# Altium PCB EDA-03518-V3-0_pcb.pcbdoc (part 5 of 14)
Units mm, origin at the board's own origin, x right, y up, seen from the top; angles counter-clockwise.
Board outline 220 x 230 mm, 8 copper layers (Top Layer, L2P, L3, L4P, L5P, L6, L7P, Bottom Layer), stack 2.18 mm thick; 1190 components, 1445 nets, 5955 pads, 2149 vias.
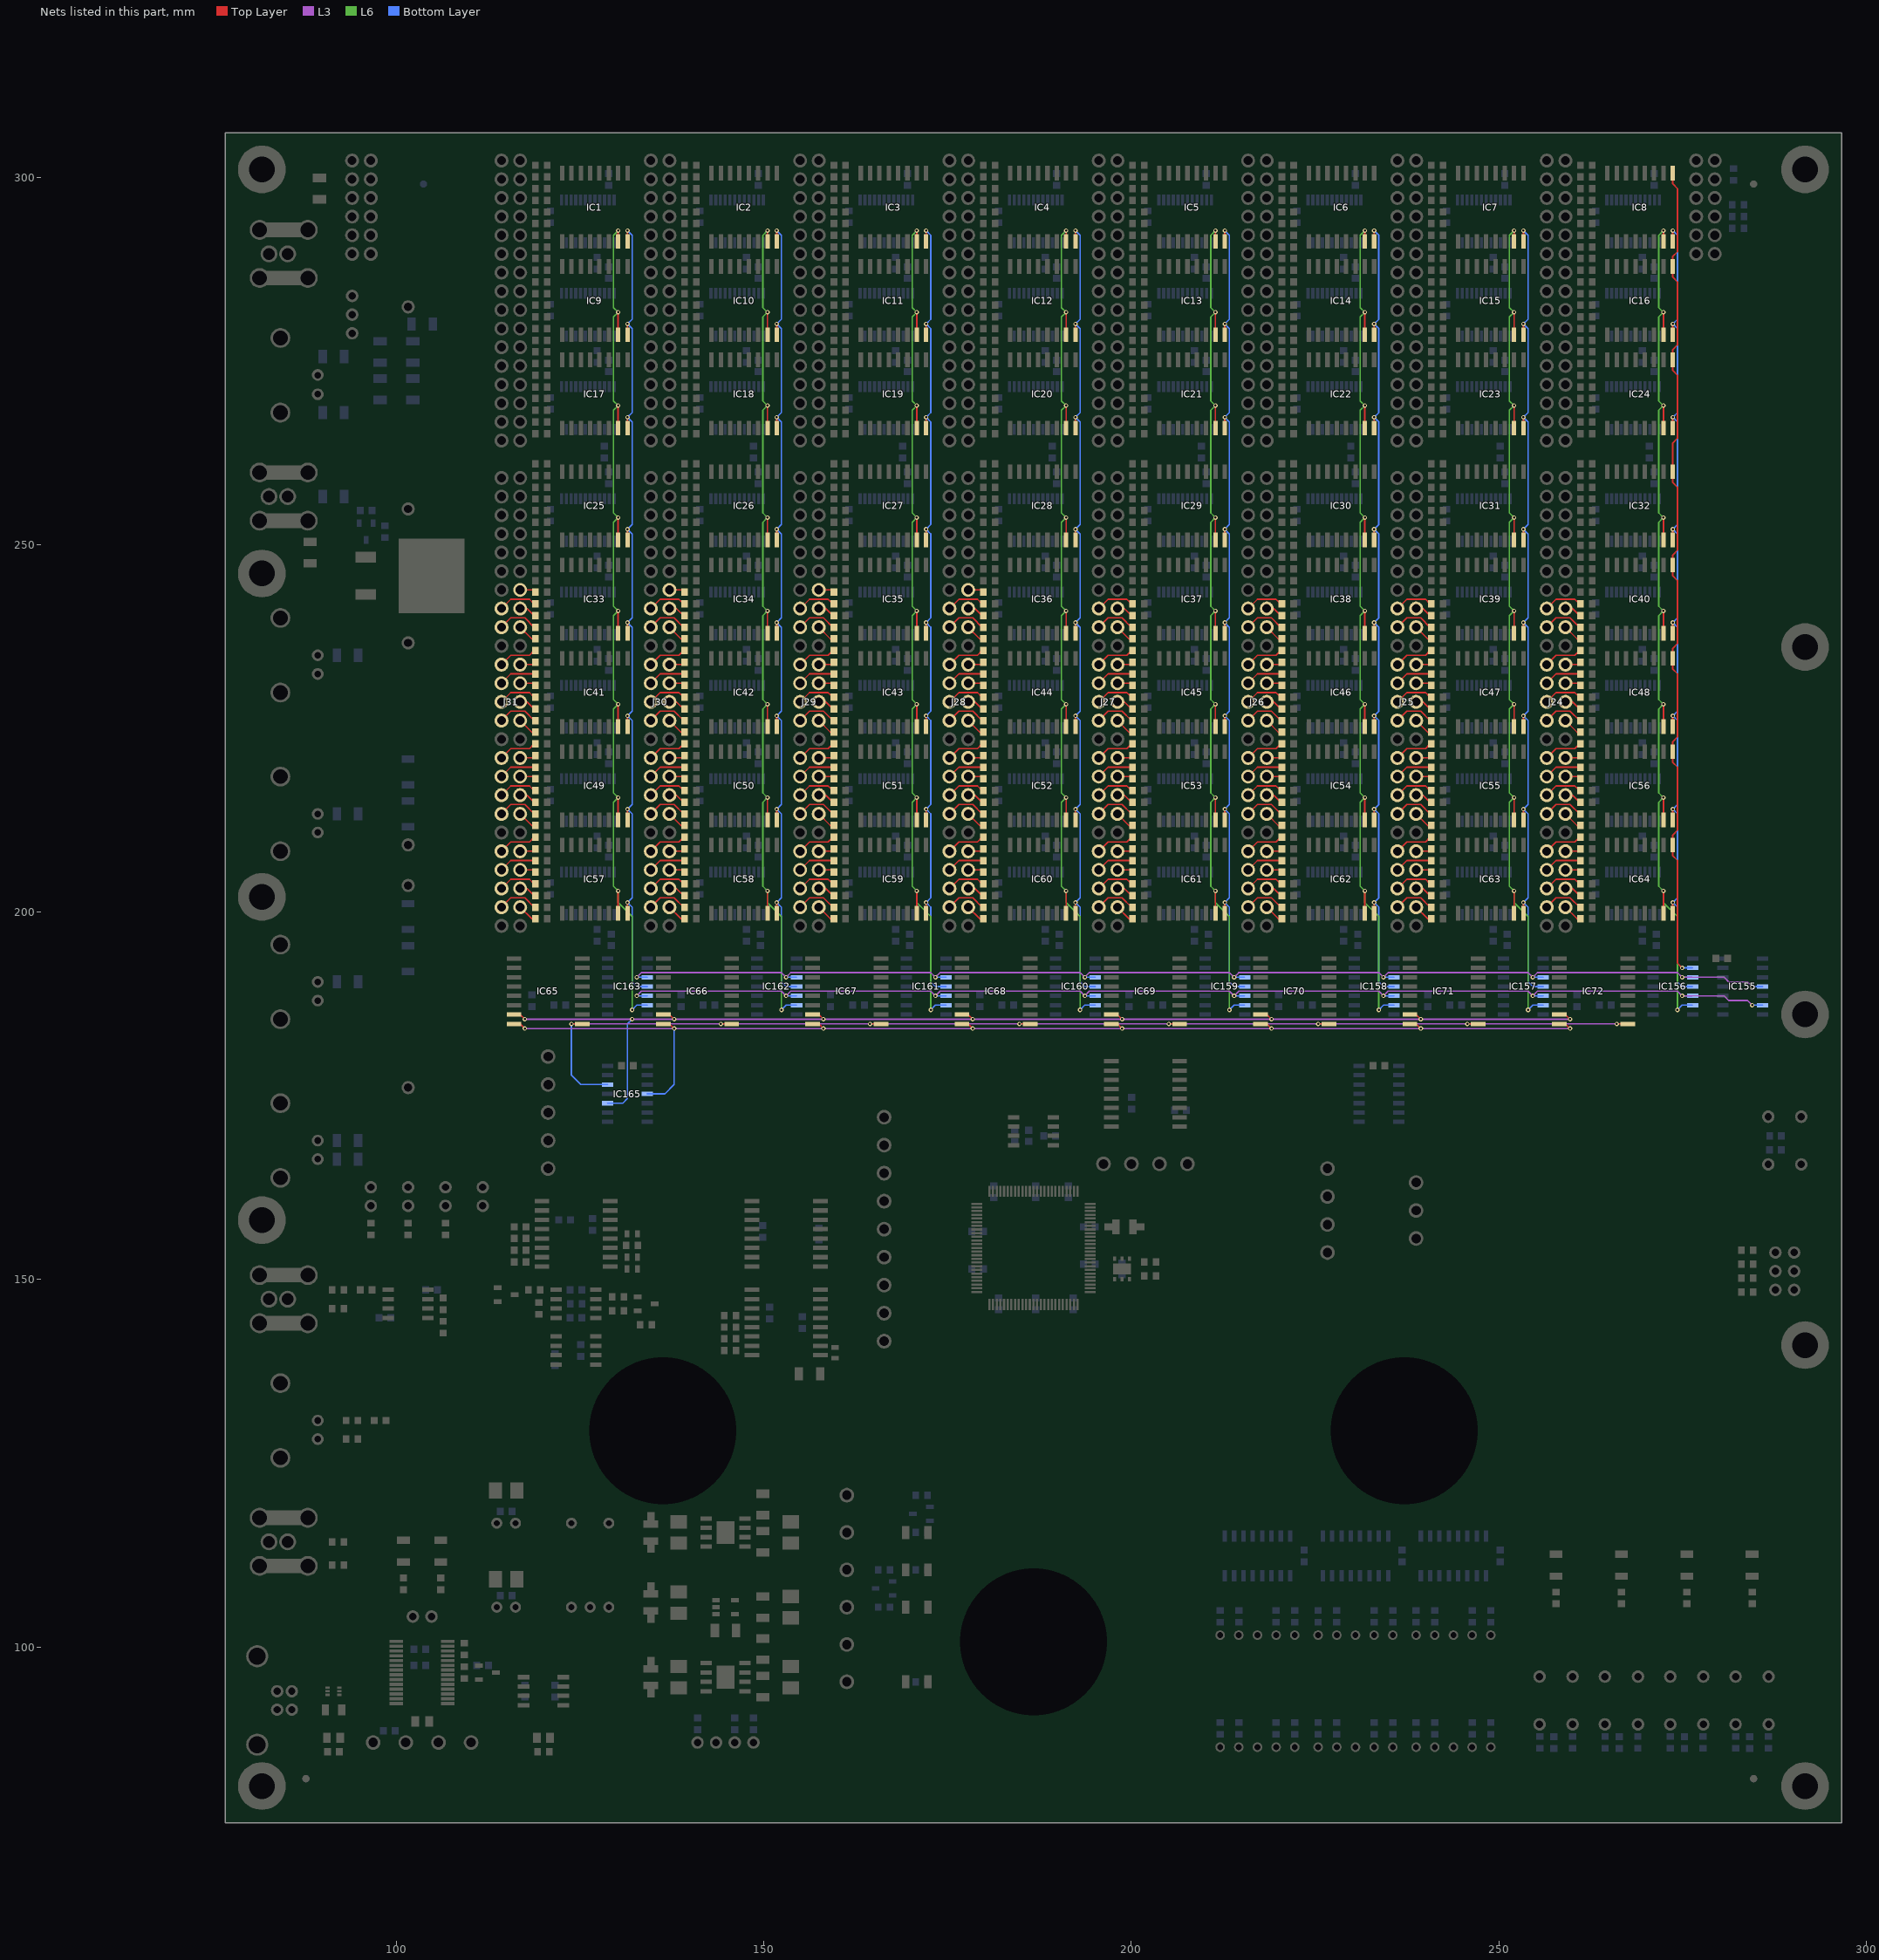
[diagram p11: the nets of this part, all layers, seen from the top]

## Via types
v1: diameter 0.6, hole 0.3, Top Layer to Bottom Layer, tented both sides, 1995 vias
v2: diameter 1, hole 0.5, Top Layer to Bottom Layer, tented both sides, 154 vias

## Nets (pads, with @x,y where several pads share a name; then routed paths per layer and width w, separated by ;. In a path a pad name is that pad's centre, name@x,y a point inside that pad or via, vN(x,y) a via of type N, cw(c..) or ccw(c..) an arc to the next point about the centre after c; other vN are vias at no path point) (continued)
A0B_8: IC8.1 IC16.1 IC24.1 IC32.1 IC40.1 IC48.1 IC56.1 IC64.1 IC156.2 | length 113.8
  Top Layer w0.203: IC8.1@273.685,300.56 273.685,299.085 274.32,298.45 274.32,289.877 273.685,289.243 IC16.1@273.685,287.86 273.685,286.385 274.32,285.75 274.32,277.178 273.685,276.542 IC24.1@273.685,275.16 273.685,273.685 274.32,273.05 274.32,264.477 273.685,263.842 IC32.1@273.685,259.92 273.685,258.445 274.32,257.81 274.32,249.237 273.685,248.602 IC40.1@273.685,247.22 273.685,245.745 274.32,245.11 274.32,236.537 273.685,235.903 IC48.1@273.685,234.52 273.685,233.045 274.32,232.41 274.32,223.837 273.685,223.202 IC56.1@273.685,221.82 273.685,220.345 274.32,219.71 274.32,211.137 273.685,210.502 IC64.1@273.685,209.12 273.685,207.645 274.32,207.01 274.32,193.04 v1(274.955,192.405)
  Bottom Layer w0.203: v1(274.955,192.405) IC156.2@276.385,192.405
A1B: IC155.4 IC156.3 IC157.3 IC158.3 IC159.3 IC160.3 IC161.3 IC162.3 IC163.3 | length 168.8
  L3 w0.203: v1(132.715,191.135) 133.35,191.77 152.4,191.77 v1(153.035,191.135) 153.67,191.77 172.72,191.77 v1(173.355,191.135) 173.99,191.77 193.04,191.77 v1(193.675,191.135) 194.31,191.77 213.36,191.77 v1(213.995,191.135) 214.63,191.77 233.68,191.77 v1(234.315,191.135) 234.95,191.77 254,191.77 v1(254.635,191.135) 255.27,191.77 274.32,191.77 v1(274.955,191.135) 280.67,191.135 281.305,190.5 283.845,190.5 v1(284.48,189.865)
  Bottom Layer w0.203: v1(132.715,191.135) IC163.3@134.145,191.135 ; v1(153.035,191.135) IC162.3@154.465,191.135 ; v1(173.355,191.135) IC161.3@174.785,191.135 ; v1(193.675,191.135) IC160.3@195.105,191.135 ; v1(213.995,191.135) IC159.3@215.425,191.135 ; v1(234.315,191.135) IC158.3@235.745,191.135 ; v1(254.635,191.135) IC157.3@256.065,191.135 ; v1(274.955,191.135) IC156.3@276.385,191.135 ; v1(284.48,189.865) IC155.4@285.91,189.865
A1B_1: IC1.16 IC9.16 IC17.16 IC25.16 IC33.16 IC41.16 IC49.16 IC57.16 IC163.4 | length 120.3
  Top Layer w0.203: IC57.16@131.445,199.82 v1(131.445,201.295) ; IC49.16@131.445,212.52 v1(131.445,213.995) ; IC41.16@131.445,225.22 v1(131.445,226.695) ; IC33.16@131.445,237.92 v1(131.445,239.395) ; IC25.16@131.445,250.62 v1(131.445,252.095) ; IC17.16@131.445,265.86 v1(131.445,267.335) ; IC9.16@131.445,278.56 v1(131.445,280.035) ; IC1.16@131.445,291.26 v1(131.445,292.735)
  Bottom Layer w0.203: v1(131.445,292.735) 132.08,292.1 132.08,280.67 v1(131.445,280.035) 132.08,279.4 132.08,267.97 v1(131.445,267.335) 132.08,266.7 132.08,252.73 v1(131.445,252.095) 132.08,251.46 132.08,240.03 v1(131.445,239.395) 132.08,238.76 132.08,227.33 v1(131.445,226.695) 132.08,226.06 132.08,214.63 v1(131.445,213.995) 132.08,213.36 132.08,201.93 v1(131.445,201.295) 132.08,200.66 132.08,190.5 132.715,189.865 IC163.4@134.145,189.865
A1B_2: IC2.16 IC10.16 IC18.16 IC26.16 IC34.16 IC42.16 IC50.16 IC58.16 IC162.4 | length 120.3
  Top Layer w0.203: IC58.16@151.765,199.82 v1(151.765,201.295) ; IC50.16@151.765,212.52 v1(151.765,213.995) ; IC42.16@151.765,225.22 v1(151.765,226.695) ; IC34.16@151.765,237.92 v1(151.765,239.395) ; IC26.16@151.765,250.62 v1(151.765,252.095) ; IC18.16@151.765,265.86 v1(151.765,267.335) ; IC10.16@151.765,278.56 v1(151.765,280.035) ; IC2.16@151.765,291.26 v1(151.765,292.735)
  Bottom Layer w0.203: v1(151.765,292.735) 152.4,292.1 152.4,280.67 v1(151.765,280.035) 152.4,279.4 152.4,267.97 v1(151.765,267.335) 152.4,266.7 152.4,252.73 v1(151.765,252.095) 152.4,251.46 152.4,240.03 v1(151.765,239.395) 152.4,238.76 152.4,227.33 v1(151.765,226.695) 152.4,226.06 152.4,214.63 v1(151.765,213.995) 152.4,213.36 152.4,201.93 v1(151.765,201.295) 152.4,200.66 152.4,190.5 153.035,189.865 IC162.4@154.465,189.865
A1B_3: IC3.16 IC11.16 IC19.16 IC27.16 IC35.16 IC43.16 IC51.16 IC59.16 IC161.4 | length 120.3
  Top Layer w0.203: IC59.16@172.085,199.82 v1(172.085,201.295) ; IC51.16@172.085,212.52 v1(172.085,213.995) ; IC43.16@172.085,225.22 v1(172.085,226.695) ; IC35.16@172.085,237.92 v1(172.085,239.395) ; IC27.16@172.085,250.62 v1(172.085,252.095) ; IC19.16@172.085,265.86 v1(172.085,267.335) ; IC11.16@172.085,278.56 v1(172.085,280.035) ; IC3.16@172.085,291.26 v1(172.085,292.735)
  Bottom Layer w0.203: v1(172.085,292.735) 172.72,292.1 172.72,280.67 v1(172.085,280.035) 172.72,279.4 172.72,267.97 v1(172.085,267.335) 172.72,266.7 172.72,252.73 v1(172.085,252.095) 172.72,251.46 172.72,240.03 v1(172.085,239.395) 172.72,238.76 172.72,227.33 v1(172.085,226.695) 172.72,226.06 172.72,214.63 v1(172.085,213.995) 172.72,213.36 172.72,201.93 v1(172.085,201.295) 172.72,200.66 172.72,190.5 173.355,189.865 IC161.4@174.785,189.865
A1B_4: IC4.16 IC12.16 IC20.16 IC28.16 IC36.16 IC44.16 IC52.16 IC60.16 IC160.4 | length 120.3
  Top Layer w0.203: IC60.16@192.405,199.82 v1(192.405,201.295) ; IC52.16@192.405,212.52 v1(192.405,213.995) ; IC44.16@192.405,225.22 v1(192.405,226.695) ; IC36.16@192.405,237.92 v1(192.405,239.395) ; IC28.16@192.405,250.62 v1(192.405,252.095) ; IC20.16@192.405,265.86 v1(192.405,267.335) ; IC12.16@192.405,278.56 v1(192.405,280.035) ; IC4.16@192.405,291.26 v1(192.405,292.735)
  Bottom Layer w0.203: v1(192.405,292.735) 193.04,292.1 193.04,280.67 v1(192.405,280.035) 193.04,279.4 193.04,267.97 v1(192.405,267.335) 193.04,266.7 193.04,252.73 v1(192.405,252.095) 193.04,251.46 193.04,240.03 v1(192.405,239.395) 193.04,238.76 193.04,227.33 v1(192.405,226.695) 193.04,226.06 193.04,214.63 v1(192.405,213.995) 193.04,213.36 193.04,201.93 v1(192.405,201.295) 193.04,200.66 193.04,190.5 193.675,189.865 IC160.4@195.105,189.865
A1B_5: IC5.16 IC13.16 IC21.16 IC29.16 IC37.16 IC45.16 IC53.16 IC61.16 IC159.4 | length 120.3
  Top Layer w0.203: IC61.16@212.725,199.82 v1(212.725,201.295) ; IC53.16@212.725,212.52 v1(212.725,213.995) ; IC45.16@212.725,225.22 v1(212.725,226.695) ; IC37.16@212.725,237.92 v1(212.725,239.395) ; IC29.16@212.725,250.62 v1(212.725,252.095) ; IC21.16@212.725,265.86 v1(212.725,267.335) ; IC13.16@212.725,278.56 v1(212.725,280.035) ; IC5.16@212.725,291.26 v1(212.725,292.735)
  Bottom Layer w0.203: v1(212.725,292.735) 213.36,292.1 213.36,280.67 v1(212.725,280.035) 213.36,279.4 213.36,267.97 v1(212.725,267.335) 213.36,266.7 213.36,252.73 v1(212.725,252.095) 213.36,251.46 213.36,240.03 v1(212.725,239.395) 213.36,238.76 213.36,227.33 v1(212.725,226.695) 213.36,226.06 213.36,214.63 v1(212.725,213.995) 213.36,213.36 213.36,201.93 v1(212.725,201.295) 213.36,200.66 213.36,190.5 213.995,189.865 IC159.4@215.425,189.865
A1B_6: IC6.16 IC14.16 IC22.16 IC30.16 IC38.16 IC46.16 IC54.16 IC62.16 IC158.4 | length 120.3
  Top Layer w0.203: IC62.16@233.045,199.82 v1(233.045,201.295) ; IC54.16@233.045,212.52 v1(233.045,213.995) ; IC46.16@233.045,225.22 v1(233.045,226.695) ; IC38.16@233.045,237.92 v1(233.045,239.395) ; IC30.16@233.045,250.62 v1(233.045,252.095) ; IC22.16@233.045,265.86 v1(233.045,267.335) ; IC14.16@233.045,278.56 v1(233.045,280.035) ; IC6.16@233.045,291.26 v1(233.045,292.735)
  Bottom Layer w0.203: v1(233.045,292.735) 233.68,292.1 233.68,280.67 v1(233.045,280.035) 233.68,279.4 233.68,267.97 v1(233.045,267.335) 233.68,266.7 233.68,252.73 v1(233.045,252.095) 233.68,251.46 233.68,240.03 v1(233.045,239.395) 233.68,238.76 233.68,227.33 v1(233.045,226.695) 233.68,226.06 233.68,214.63 v1(233.045,213.995) 233.68,213.36 233.68,201.93 v1(233.045,201.295) 233.68,200.66 233.68,190.5 234.315,189.865 IC158.4@235.745,189.865
A1B_7: IC7.16 IC15.16 IC23.16 IC31.16 IC39.16 IC47.16 IC55.16 IC63.16 IC157.4 | length 120.3
  Top Layer w0.203: IC63.16@253.365,199.82 v1(253.365,201.295) ; IC55.16@253.365,212.52 v1(253.365,213.995) ; IC47.16@253.365,225.22 v1(253.365,226.695) ; IC39.16@253.365,237.92 v1(253.365,239.395) ; IC31.16@253.365,250.62 v1(253.365,252.095) ; IC23.16@253.365,265.86 v1(253.365,267.335) ; IC15.16@253.365,278.56 v1(253.365,280.035) ; IC7.16@253.365,291.26 v1(253.365,292.735)
  Bottom Layer w0.203: v1(253.365,292.735) 254,292.1 254,280.67 v1(253.365,280.035) 254,279.4 254,267.97 v1(253.365,267.335) 254,266.7 254,252.73 v1(253.365,252.095) 254,251.46 254,240.03 v1(253.365,239.395) 254,238.76 254,227.33 v1(253.365,226.695) 254,226.06 254,214.63 v1(253.365,213.995) 254,213.36 254,201.93 v1(253.365,201.295) 254,200.66 254,190.5 254.635,189.865 IC157.4@256.065,189.865
A1B_8: IC8.16 IC16.16 IC24.16 IC32.16 IC40.16 IC48.16 IC56.16 IC64.16 IC156.4 | length 120.3
  Top Layer w0.203: IC64.16@273.685,199.82 v1(273.685,201.295) ; IC56.16@273.685,212.52 v1(273.685,213.995) ; IC48.16@273.685,225.22 v1(273.685,226.695) ; IC40.16@273.685,237.92 v1(273.685,239.395) ; IC32.16@273.685,250.62 v1(273.685,252.095) ; IC24.16@273.685,265.86 v1(273.685,267.335) ; IC16.16@273.685,278.56 v1(273.685,280.035) ; IC8.16@273.685,291.26 v1(273.685,292.735)
  Bottom Layer w0.203: v1(273.685,292.735) 274.32,292.1 274.32,280.67 v1(273.685,280.035) 274.32,279.4 274.32,267.97 v1(273.685,267.335) 274.32,266.7 274.32,252.73 v1(273.685,252.095) 274.32,251.46 274.32,240.03 v1(273.685,239.395) 274.32,238.76 274.32,227.33 v1(273.685,226.695) 274.32,226.06 274.32,214.63 v1(273.685,213.995) 274.32,213.36 274.32,201.93 v1(273.685,201.295) 274.32,200.66 274.32,190.5 274.955,189.865 IC156.4@276.385,189.865
A2B: IC155.6 IC156.5 IC157.5 IC158.5 IC159.5 IC160.5 IC161.5 IC162.5 IC163.5 | length 168.8
  L3 w0.203: v1(132.715,188.595) 133.35,189.23 152.4,189.23 v1(153.035,188.595) 153.67,189.23 172.72,189.23 v1(173.355,188.595) 173.99,189.23 193.04,189.23 v1(193.675,188.595) 194.31,189.23 213.36,189.23 v1(213.995,188.595) 214.63,189.23 233.68,189.23 v1(234.315,188.595) 234.95,189.23 254,189.23 v1(254.635,188.595) 255.27,189.23 274.32,189.23 v1(274.955,188.595) 280.67,188.595 281.305,187.96 283.845,187.96 v1(284.48,187.325)
  Bottom Layer w0.203: v1(132.715,188.595) IC163.5@134.145,188.595 ; v1(153.035,188.595) IC162.5@154.465,188.595 ; v1(173.355,188.595) IC161.5@174.785,188.595 ; v1(193.675,188.595) IC160.5@195.105,188.595 ; v1(213.995,188.595) IC159.5@215.425,188.595 ; v1(234.315,188.595) IC158.5@235.745,188.595 ; v1(254.635,188.595) IC157.5@256.065,188.595 ; v1(274.955,188.595) IC156.5@276.385,188.595 ; v1(284.48,187.325) IC155.6@285.91,187.325
A2B_1: IC1.15 IC9.15 IC17.15 IC25.15 IC33.15 IC41.15 IC49.15 IC57.15 IC163.6 | length 135.8
  Top Layer w0.203: IC57.15@130.175,199.82 v1(130.175,202.882) ; IC49.15@130.175,212.52 v1(130.175,215.582) ; IC41.15@130.175,225.22 v1(130.175,228.282) ; IC33.15@130.175,237.92 v1(130.175,240.982) ; IC25.15@130.175,250.62 v1(130.175,253.682) ; IC17.15@130.175,265.86 v1(130.175,268.923) ; IC9.15@130.175,278.56 v1(130.175,281.623) ; IC1.15@130.175,291.26 v1(130.175,292.735)
  L6 w0.203: v1(130.175,292.735) 129.54,292.1 129.54,282.257 v1(130.175,281.623) 129.54,280.988 129.54,269.558 v1(130.175,268.923) 129.54,268.287 129.54,254.317 v1(130.175,253.682) 129.54,253.047 129.54,241.617 v1(130.175,240.982) 129.54,240.347 129.54,228.917 v1(130.175,228.282) 129.54,227.647 129.54,216.218 v1(130.175,215.582) 129.54,214.947 129.54,203.517 v1(130.175,202.882) 130.175,201.295 132.08,199.39 v1(132.08,186.69)
  Bottom Layer w0.203: v1(132.08,186.69) 132.715,187.325 IC163.6@134.145,187.325
A2B_2: IC2.15 IC10.15 IC18.15 IC26.15 IC34.15 IC42.15 IC50.15 IC58.15 IC162.6 | length 135.8
  Top Layer w0.203: IC58.15@150.495,199.82 v1(150.495,202.882) ; IC50.15@150.495,212.52 v1(150.495,215.582) ; IC42.15@150.495,225.22 v1(150.495,228.282) ; IC34.15@150.495,237.92 v1(150.495,240.982) ; IC26.15@150.495,250.62 v1(150.495,253.682) ; IC18.15@150.495,265.86 v1(150.495,268.923) ; IC10.15@150.495,278.56 v1(150.495,281.623) ; IC2.15@150.495,291.26 v1(150.495,292.735)
  L6 w0.203: v1(150.495,292.735) 149.86,292.1 149.86,282.257 v1(150.495,281.623) 149.86,280.988 149.86,269.558 v1(150.495,268.923) 149.86,268.287 149.86,254.317 v1(150.495,253.682) 149.86,253.047 149.86,241.617 v1(150.495,240.982) 149.86,240.347 149.86,228.917 v1(150.495,228.282) 149.86,227.647 149.86,216.218 v1(150.495,215.582) 149.86,214.947 149.86,203.517 v1(150.495,202.882) 150.495,201.295 152.4,199.39 v1(152.4,186.69)
  Bottom Layer w0.203: v1(152.4,186.69) 153.035,187.325 IC162.6@154.465,187.325
A2B_3: IC3.15 IC11.15 IC19.15 IC27.15 IC35.15 IC43.15 IC51.15 IC59.15 IC161.6 | length 135.8
  Top Layer w0.203: IC59.15@170.815,199.82 v1(170.815,202.882) ; IC51.15@170.815,212.52 v1(170.815,215.582) ; IC43.15@170.815,225.22 v1(170.815,228.282) ; IC35.15@170.815,237.92 v1(170.815,240.982) ; IC27.15@170.815,250.62 v1(170.815,253.682) ; IC19.15@170.815,265.86 v1(170.815,268.923) ; IC11.15@170.815,278.56 v1(170.815,281.623) ; IC3.15@170.815,291.26 v1(170.815,292.735)
  L6 w0.203: v1(170.815,292.735) 170.18,292.1 170.18,282.257 v1(170.815,281.623) 170.18,280.988 170.18,269.558 v1(170.815,268.923) 170.18,268.287 170.18,254.317 v1(170.815,253.682) 170.18,253.047 170.18,241.617 v1(170.815,240.982) 170.18,240.347 170.18,228.917 v1(170.815,228.282) 170.18,227.647 170.18,216.218 v1(170.815,215.582) 170.18,214.947 170.18,203.517 v1(170.815,202.882) 170.815,201.295 172.72,199.39 v1(172.72,186.69)
  Bottom Layer w0.203: v1(172.72,186.69) 173.355,187.325 IC161.6@174.785,187.325
A2B_4: IC4.15 IC12.15 IC20.15 IC28.15 IC36.15 IC44.15 IC52.15 IC60.15 IC160.6 | length 135.8
  Top Layer w0.203: IC60.15@191.135,199.82 v1(191.135,202.882) ; IC52.15@191.135,212.52 v1(191.135,215.582) ; IC44.15@191.135,225.22 v1(191.135,228.282) ; IC36.15@191.135,237.92 v1(191.135,240.982) ; IC28.15@191.135,250.62 v1(191.135,253.682) ; IC20.15@191.135,265.86 v1(191.135,268.923) ; IC12.15@191.135,278.56 v1(191.135,281.623) ; IC4.15@191.135,291.26 v1(191.135,292.735)
  L6 w0.203: v1(191.135,292.735) 190.5,292.1 190.5,282.257 v1(191.135,281.623) 190.5,280.988 190.5,269.558 v1(191.135,268.923) 190.5,268.287 190.5,254.317 v1(191.135,253.682) 190.5,253.047 190.5,241.617 v1(191.135,240.982) 190.5,240.347 190.5,228.917 v1(191.135,228.282) 190.5,227.647 190.5,216.218 v1(191.135,215.582) 190.5,214.947 190.5,203.517 v1(191.135,202.882) 191.135,201.295 193.04,199.39 v1(193.04,186.69)
  Bottom Layer w0.203: v1(193.04,186.69) 193.675,187.325 IC160.6@195.105,187.325
A2B_5: IC5.15 IC13.15 IC21.15 IC29.15 IC37.15 IC45.15 IC53.15 IC61.15 IC159.6 | length 135.8
  Top Layer w0.203: IC61.15@211.455,199.82 v1(211.455,202.882) ; IC53.15@211.455,212.52 v1(211.455,215.582) ; IC45.15@211.455,225.22 v1(211.455,228.282) ; IC37.15@211.455,237.92 v1(211.455,240.982) ; IC29.15@211.455,250.62 v1(211.455,253.682) ; IC21.15@211.455,265.86 v1(211.455,268.923) ; IC13.15@211.455,278.56 v1(211.455,281.623) ; IC5.15@211.455,291.26 v1(211.455,292.735)
  L6 w0.203: v1(211.455,292.735) 210.82,292.1 210.82,282.257 v1(211.455,281.623) 210.82,280.988 210.82,269.558 v1(211.455,268.923) 210.82,268.287 210.82,254.317 v1(211.455,253.682) 210.82,253.047 210.82,241.617 v1(211.455,240.982) 210.82,240.347 210.82,228.917 v1(211.455,228.282) 210.82,227.647 210.82,216.218 v1(211.455,215.582) 210.82,214.947 210.82,203.517 v1(211.455,202.882) 211.455,201.295 213.36,199.39 v1(213.36,186.69)
  Bottom Layer w0.203: v1(213.36,186.69) 213.995,187.325 IC159.6@215.425,187.325
A2B_6: IC6.15 IC14.15 IC22.15 IC30.15 IC38.15 IC46.15 IC54.15 IC62.15 IC158.6 | length 135.8
  Top Layer w0.203: IC62.15@231.775,199.82 v1(231.775,202.882) ; IC54.15@231.775,212.52 v1(231.775,215.582) ; IC46.15@231.775,225.22 v1(231.775,228.282) ; IC38.15@231.775,237.92 v1(231.775,240.982) ; IC30.15@231.775,250.62 v1(231.775,253.682) ; IC22.15@231.775,265.86 v1(231.775,268.923) ; IC14.15@231.775,278.56 v1(231.775,281.623) ; IC6.15@231.775,291.26 v1(231.775,292.735)
  L6 w0.203: v1(231.775,292.735) 231.14,292.1 231.14,282.257 v1(231.775,281.623) 231.14,280.988 231.14,269.558 v1(231.775,268.923) 231.14,268.287 231.14,254.317 v1(231.775,253.682) 231.14,253.047 231.14,241.617 v1(231.775,240.982) 231.14,240.347 231.14,228.917 v1(231.775,228.282) 231.14,227.647 231.14,216.218 v1(231.775,215.582) 231.14,214.947 231.14,203.517 v1(231.775,202.882) 231.775,201.295 233.68,199.39 v1(233.68,186.69)
  Bottom Layer w0.203: v1(233.68,186.69) 234.315,187.325 IC158.6@235.745,187.325
A2B_7: IC7.15 IC15.15 IC23.15 IC31.15 IC39.15 IC47.15 IC55.15 IC63.15 IC157.6 | length 135.8
  Top Layer w0.203: IC63.15@252.095,199.82 v1(252.095,202.882) ; IC55.15@252.095,212.52 v1(252.095,215.582) ; IC47.15@252.095,225.22 v1(252.095,228.282) ; IC39.15@252.095,237.92 v1(252.095,240.982) ; IC31.15@252.095,250.62 v1(252.095,253.682) ; IC23.15@252.095,265.86 v1(252.095,268.923) ; IC15.15@252.095,278.56 v1(252.095,281.623) ; IC7.15@252.095,291.26 v1(252.095,292.735)
  L6 w0.203: v1(252.095,292.735) 251.46,292.1 251.46,282.257 v1(252.095,281.623) 251.46,280.988 251.46,269.558 v1(252.095,268.923) 251.46,268.287 251.46,254.317 v1(252.095,253.682) 251.46,253.047 251.46,241.617 v1(252.095,240.982) 251.46,240.347 251.46,228.917 v1(252.095,228.282) 251.46,227.647 251.46,216.218 v1(252.095,215.582) 251.46,214.947 251.46,203.517 v1(252.095,202.882) 252.095,201.295 254,199.39 v1(254,186.69)
  Bottom Layer w0.203: v1(254,186.69) 254.635,187.325 IC157.6@256.065,187.325
A2B_8: IC8.15 IC16.15 IC24.15 IC32.15 IC40.15 IC48.15 IC56.15 IC64.15 IC156.6 | length 135.8
  Top Layer w0.203: IC64.15@272.415,199.82 v1(272.415,202.882) ; IC56.15@272.415,212.52 v1(272.415,215.582) ; IC48.15@272.415,225.22 v1(272.415,228.282) ; IC40.15@272.415,237.92 v1(272.415,240.982) ; IC32.15@272.415,250.62 v1(272.415,253.682) ; IC24.15@272.415,265.86 v1(272.415,268.923) ; IC16.15@272.415,278.56 v1(272.415,281.623) ; IC8.15@272.415,291.26 v1(272.415,292.735)
  L6 w0.203: v1(272.415,292.735) 271.78,292.1 271.78,282.257 v1(272.415,281.623) 271.78,280.988 271.78,269.558 v1(272.415,268.923) 271.78,268.287 271.78,254.317 v1(272.415,253.682) 271.78,253.047 271.78,241.617 v1(272.415,240.982) 271.78,240.347 271.78,228.917 v1(272.415,228.282) 271.78,227.647 271.78,216.218 v1(272.415,215.582) 271.78,214.947 271.78,203.517 v1(272.415,202.882) 272.415,201.295 274.32,199.39 v1(274.32,186.69)
  Bottom Layer w0.203: v1(274.32,186.69) 274.955,187.325 IC156.6@276.385,187.325
A3_1: IC65.1 IC66.1 IC67.1 IC68.1 IC69.1 IC70.1 IC71.1 IC72.1 IC165.12 | length 166.5
  Top Layer w0.203: v1(123.825,184.785) IC65.1@125.3,184.785 ; v1(144.145,184.785) IC66.1@145.62,184.785 ; v1(164.465,184.785) IC67.1@165.94,184.785 ; v1(184.785,184.785) IC68.1@186.26,184.785 ; v1(205.105,184.785) IC69.1@206.58,184.785 ; v1(225.425,184.785) IC70.1@226.9,184.785 ; v1(245.745,184.785) IC71.1@247.22,184.785 ; v1(266.065,184.785) IC72.1@267.54,184.785
  L3 w0.203: v1(123.825,184.785) v1(144.145,184.785) v1(164.465,184.785) v1(184.785,184.785) v1(205.105,184.785) v1(225.425,184.785) v1(245.745,184.785) v1(266.065,184.785)
  Bottom Layer w0.203: v1(123.825,184.785) 123.825,177.8 125.095,176.53 IC165.12@128.745,176.53
A4_1: IC65.16 IC66.16 IC67.16 IC68.16 IC69.16 IC70.16 IC71.16 IC72.16 IC165.4 | length 167.9
  Top Layer w0.203: IC65.16@116,184.785 116.84,184.785 v1(117.475,184.15) ; IC66.16@136.32,184.785 137.16,184.785 v1(137.795,184.15) ; IC67.16@156.64,184.785 157.48,184.785 v1(158.115,184.15) ; IC68.16@176.96,184.785 177.8,184.785 v1(178.435,184.15) ; IC69.16@197.28,184.785 198.12,184.785 v1(198.755,184.15) ; IC70.16@217.6,184.785 218.44,184.785 v1(219.075,184.15) ; IC71.16@237.92,184.785 238.76,184.785 v1(239.395,184.15) ; IC72.16@258.24,184.785 259.08,184.785 v1(259.715,184.15)
  L3 w0.203: v1(117.475,184.15) v1(137.795,184.15) v1(158.115,184.15) v1(178.435,184.15) v1(198.755,184.15) v1(219.075,184.15) v1(239.395,184.15) v1(259.715,184.15)
  Bottom Layer w0.203: IC165.4@134.145,175.26 136.525,175.26 137.795,176.53 v1(137.795,184.15)
A5_1: IC65.15 IC66.15 IC67.15 IC68.15 IC69.15 IC70.15 IC71.15 IC72.15 IC165.10 | length 170.2
  Top Layer w0.203: IC65.15@116,186.055 116.84,186.055 v1(117.475,185.42) ; IC66.15@136.32,186.055 137.16,186.055 v1(137.795,185.42) ; IC67.15@156.64,186.055 157.48,186.055 v1(158.115,185.42) ; IC68.15@176.96,186.055 177.8,186.055 v1(178.435,185.42) ; IC69.15@197.28,186.055 198.12,186.055 v1(198.755,185.42) ; IC70.15@217.6,186.055 218.44,186.055 v1(219.075,185.42) ; IC71.15@237.92,186.055 238.76,186.055 v1(239.395,185.42) ; IC72.15@258.24,186.055 259.08,186.055 v1(259.715,185.42)
  L3 w0.203: v1(117.475,185.42) v1(132.08,185.42) v1(137.795,185.42) v1(158.115,185.42) v1(178.435,185.42) v1(198.755,185.42) v1(219.075,185.42) v1(239.395,185.42) v1(259.715,185.42)